# Altium PCB Horizontal Circuit Board.PcbDoc (part 1 of 2) (continued)
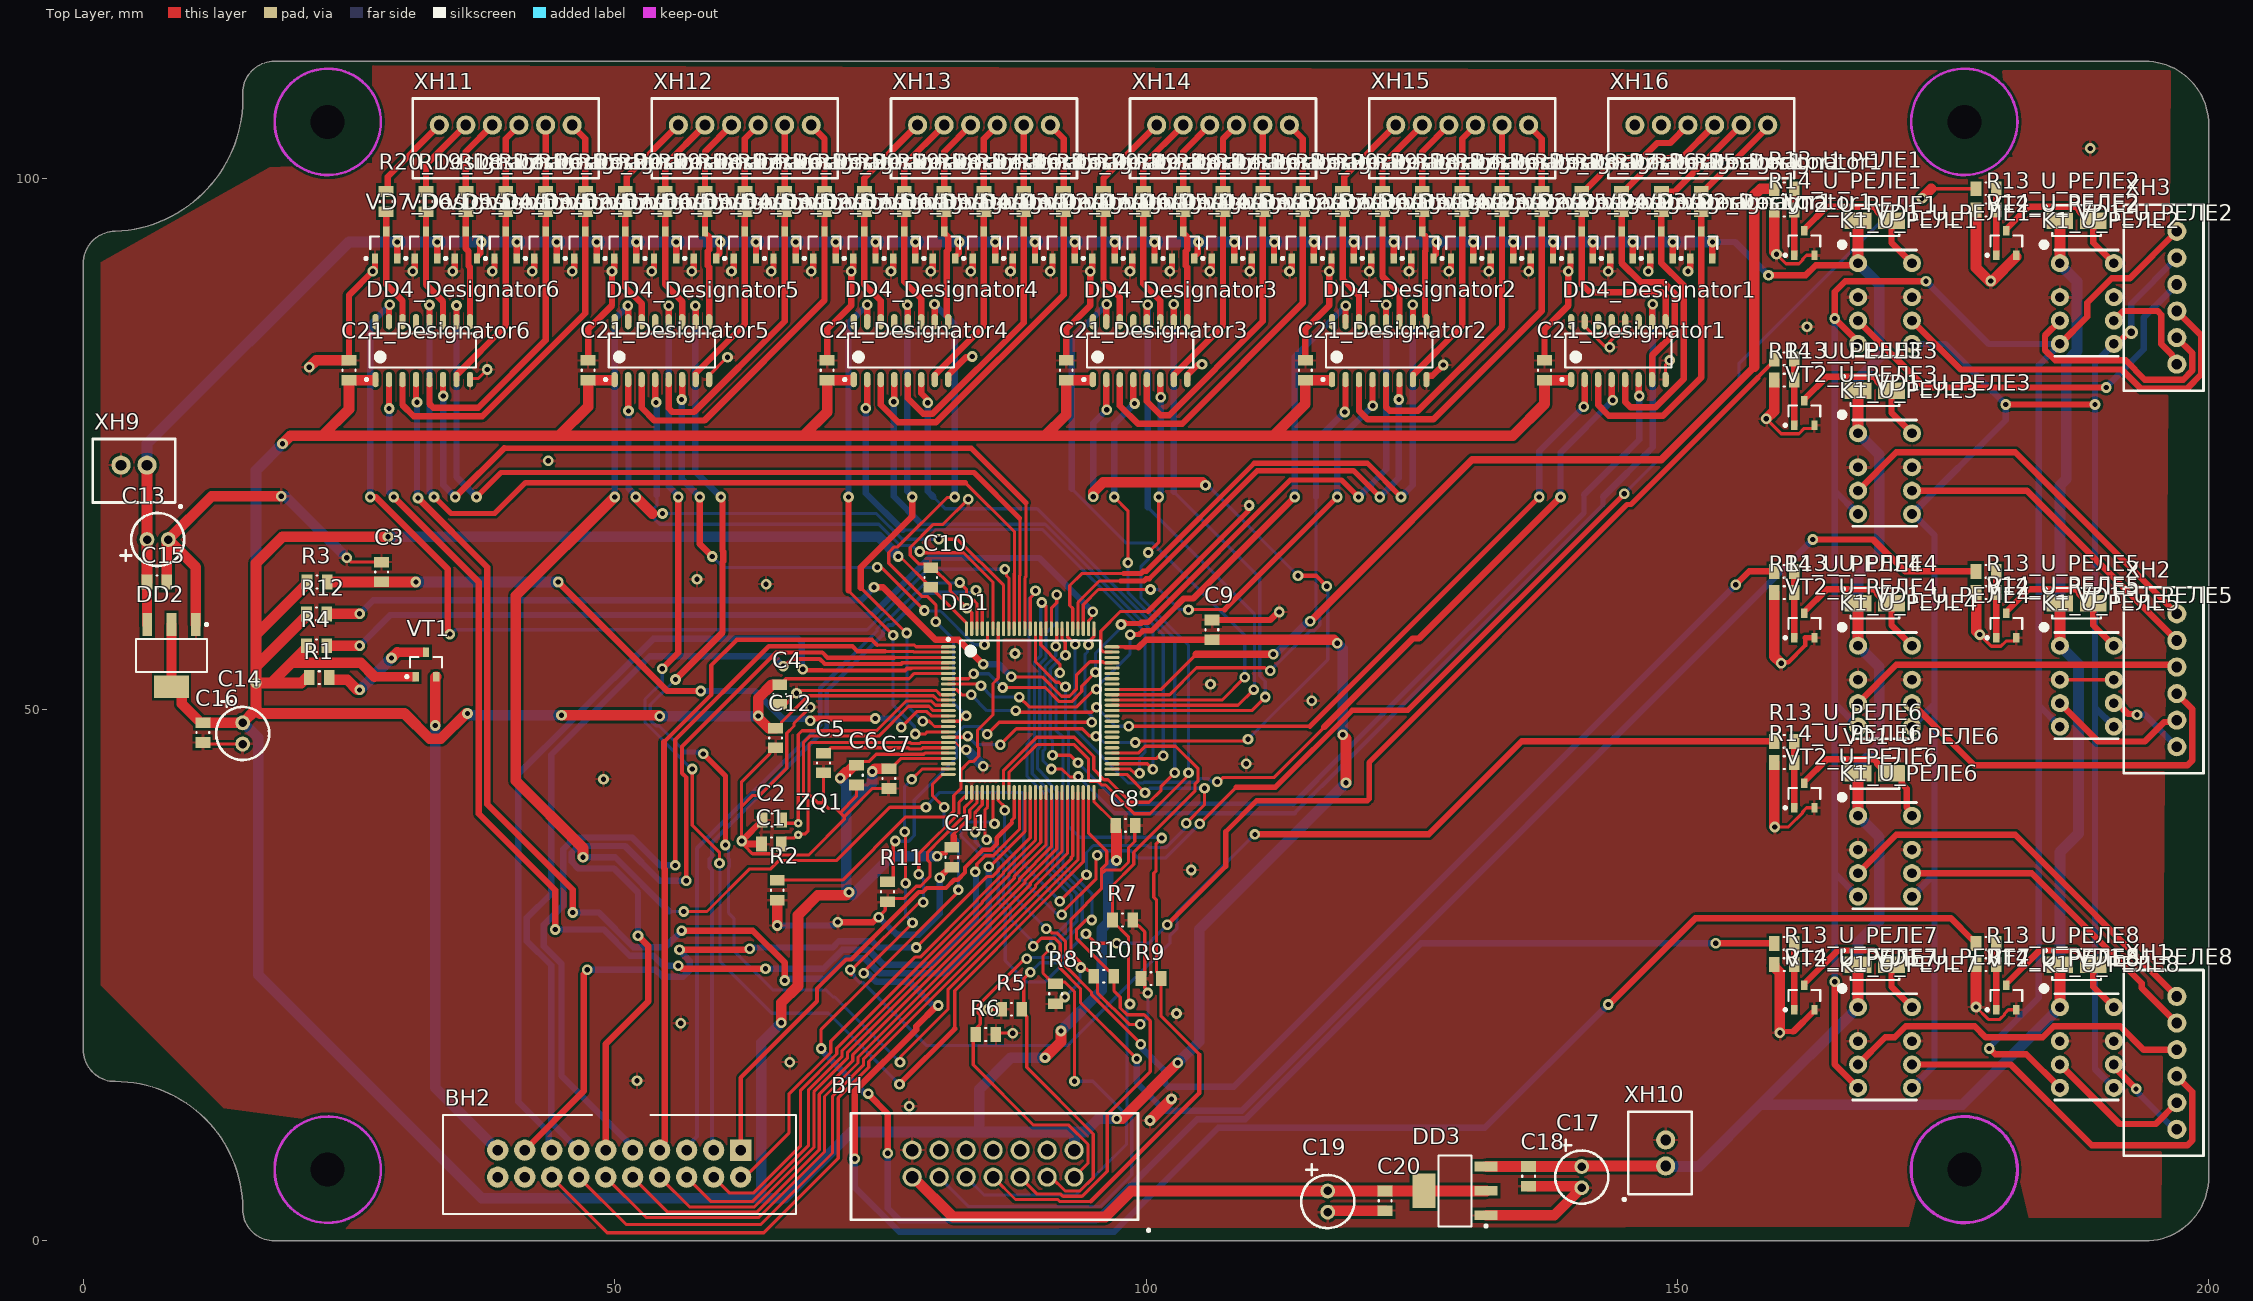
[diagram p0: Top Layer view]
## Part data
BH: library part BH14(3)
C1 C2 C3 C4 C5 C6 C7 C8 C9 C10 C11 C12 C15 C16 C18 C20 R1 R2 R3 R4 R5 R6 R7 R8 R9 R10 R11 R12: "SMD"
C13 C14 C17 C19: "Электролит"
DD1: library part AT32F407, "МК"
DD2 DD3: "Стабилизатор"
VT1 VT2_U_РЕЛЕ1 VT2_U_РЕЛЕ2 VT2_U_РЕЛЕ3 VT2_U_РЕЛЕ4 VT2_U_РЕЛЕ5 VT2_U_РЕЛЕ6 VT2_U_РЕЛЕ7 VT2_U_РЕЛЕ8: "Транзистор"
ZQ1: library part "KX-38 32.768 KHZ"

## Free pads (board coordinates)
  round 1.6 hole 3.2 unplated: C(23,6.7) C(23,105.3) C(177,6.7) C(177,105.3)

## Via types
v1: diameter 1, hole 0.5, Top Layer to Bottom Layer, 372 vias
v2: diameter 1.27, hole 0.711, Top Layer to Bottom Layer, 1 vias

## Nets (pads, with @x,y where several pads share a name; then routed paths per layer and width w, separated by ;. In a path a pad name is that pad's centre, name@x,y a point inside that pad or via, vN(x,y) a via of type N, cw(c..) or ccw(c..) an arc to the next point about the centre after c; other vN are vias at no path point)
+3.3: BH.8 C4.2 C6.2 C7.2 C8.2 C9.2 C10.2 C11.2 C12.2 C14.1 C16.2 C21_Designator1.1 C21_Designator2.1 C21_Designator3.1 C21_Designator4.1 C21_Designator5.1 C21_Designator6.1 DD1.6 DD1.11 DD1.21 DD1.22 DD1.28 DD1.50 DD1.75 DD1.100 DD2.2 DD4_Designator1.1 DD4_Designator2.1 DD4_Designator3.1 DD4_Designator4.1 DD4_Designator5.1 DD4_Designator6.1 R1.2 R3.1 R4.2 R12.1 VT1.1 | length 738.4
  Top Layer w0.3: C12.2@65.15,48.25 65.35,48.25 65.7,48.6 65.7,48.8 68.204,51.304 79.996,51.304 80.4,50.9 DD1.11@81.4,50.9 ; C4.2@65.535,52.35 66.085,52.9 77.703,52.9 78.203,53.4 DD1.6@81.4,53.4 ; C6.2@72.75,44.75 73.1,45.1 73.925,45.1 74.621,45.796 79.089,45.796 79.193,45.9 DD1.21@81.4,45.9 ; C7.2@75.8,44.425 76,44.425 76.975,45.4 DD1.22@81.4,45.4 ; v1(76.7,64.4) 76.85,64.4 C10.2@79.75,61.5 83.1,58.15 DD1.100@83.1,57.6 ; v1(80.35,36.2) 80.484,36.334 v1@80.621,36.334 ; 81.175,36.475 81.175,36.675 81.525,37.025 C11.2@81.725,37.025 ; 81.787,38.188 83.407,39.808 83.407,40.543 84.1,41.236 84.1,41.443 DD1.28@84.1,42.2 ; DD1.50@95.1,42.2 95.1,41.35 96.8,39.65 C8.2@97.247,39.203 ; DD1.75@96.8,55.9 97.997,55.9 98.047,55.85 ; 100.025,56.575 100.15,56.575
  Top Layer w0.4: v1@80.621,36.334 80.762,36.475 81.175,36.475 ; 98.047,55.85 99.3,55.85
  Top Layer w0.6: C11.2@81.725,37.025 81.893,37.193 81.893,38.082 ; 99.3,55.85 100.025,56.575 ; 100.15,56.575 C9.2@106.2,56.575
  Top Layer w0.9: DD2.2@8.3,52.15 DD2.2@8.3,58 ; 27.4,53.1 VT1.1@31.125,53.1
  Top Layer w1: DD2.2@8.3,52.15 8.675,52.15 9.25,51.575 9.25,50.55 11.05,48.75 C16.2@11.25,48.75 C14.1@15,48.75 16.25,50 ; v1(18.75,75) 19.5,75.75 22.5,75.75 ; R1.2@21,53 21,52.8 20.8,52.8 20.5,52.5 17.7,52.5 ; R4.2@21,56 21,55.8 19.6,54.4 ; R12.1@21,59 21,58.8 16.25,54.05 ; R3.1@21,62 21,61.8 16.25,57.05 ; DD4_Designator6.1@27.3,81 C21_Designator6.1@25,81 25,78.25 22.5,75.75 ; 27.4,53.1 26.1,54.4 19.6,54.4 ; v1(28.675,66.25) 18.75,66.25 16.25,63.75 16.25,57.05 ; v1(36.15,49.625) 36.023,49.625 33.644,47.246 32.606,47.246 30.227,49.625 16.625,49.625 16.25,50 ; v1(45,49.475) 54.163,49.475 v1(54.256,49.381) ; 49.63,81 C21_Designator5.1@47.5,81 47.5,78.5 44.75,75.75 ; C12.2@65.15,48.25 64.5,48.25 63.525,49.225 v1(63.525,49.4) 63.525,51.065 64.81,52.35 C4.2@65.535,52.35 ; v1(65.675,20.525) 65.675,22.402 67.254,23.981 67.254,30.654 69.125,32.525 71.775,32.525 v1(72.05,32.8) ; v1(71.225,43.55) 71.35,43.675 71.35,43.69 71.76,44.1 71.9,44.1 72.55,44.75 C6.2@72.75,44.75 ; DD4_Designator4.1@72.2,81 C21_Designator4.1@70,81 70,78 67.75,75.75 ; v1(74.25,44.175) 74.5,44.425 C7.2@75.8,44.425 ; v1(90.5,17.25) 92,18.75 v1(92,19.75) ; DD4_Designator3.1@94.7,81 C21_Designator3.1@92.5,81 92.5,77.75 90.5,75.75 ; C8.2@97.15,39.1 97.15,38.607 97.225,38.532 v1(97.225,35.8) ; v1(97.25,11.5) 97.75,11.5 v1(103,16.75) ; C9.2@106.2,56.575 117.679,56.575 v1(118.004,56.25) ; 117.2,81 C21_Designator2.1@115,81 115,78.75 112,75.75 ; v1(118.525,47.625) 118.525,47.575 118.825,47.275 v1(118.825,43.125) ; 139.7,81 C21_Designator1.1@137.5,81 137.5,78.75 134.5,75.75 112,75.75 ; 16.25,50 v1(16.25,52.5) ; v1(16.25,52.5) 17.7,52.5 ; v1(16.25,52.5) 16.25,54.05 ; 16.25,54.05 16.25,57.05 ; 17.7,52.5 19.6,54.4 ; 22.5,75.75 44.75,75.75 ; 44.75,75.75 67.75,75.75 ; 67.75,75.75 90.5,75.75 ; 90.5,75.75 112,75.75
  Bottom Layer w1: C14.1@15,48.75 15.056,48.75 16.454,47.352 16.454,25.046 37.5,4 63.8,4 ; v1(16.25,52.5) 16.25,72.5 v1(18.75,75) ; v1(28.675,66.25) 74.85,66.25 v1(76.7,64.4) ; v1(36.15,49.625) 36.3,49.475 v1(45,49.475) ; v1(54.256,49.381) 63.506,49.381 v1(63.525,49.4) ; v1(65.675,20.525) 63.8,18.65 63.8,4 ; v1(71.225,43.55) 71.8,42.975 71.8,40.6 ; v1@71.8,33.1 71.8,40.6 ; v1@72.375,32.525 76.05,36.2 v1(80.35,36.2) ; v1(74.25,44.175) 74.25,43.05 71.8,40.6 ; v1(90.5,17.25) 87.3,17.25 84.3,14.25 84.3,10.25 ; v1(92,19.75) 95.83,23.58 95.83,29.353 96.45,29.973 96.45,35.025 v1(97.225,35.8) ; BH.8@93.24,8.54 93.275,8.575 93.275,10.25 ; v1(97.25,11.5) 95.5,11.5 94.25,10.25 93.275,10.25 ; v1(103,16.75) 105,18.75 105,29.3 v1(118.825,43.125) ; v1(118.004,56.25) 118.525,55.729 v1(118.525,47.625) ; 63.8,4 66,4 72.25,10.25 84.3,10.25 ; 84.3,10.25 93.275,10.25
+5: BH.7 C19.1 C20.2 DD3.2 | length 56.6
  Top Layer w1: BH.7@78,6 78.086,6 81.836,2.25 96.15,2.25 98.6,4.7 C19.1@117.1,4.7 C20.2@122.5,4.7 DD3.2@126.15,4.7 DD3.2@132,4.7
+12: C13.1 C15.2 C17.1 C18.2 DD2.3 DD3.3 K1_U_РЕЛЕ1.1 K1_U_РЕЛЕ2.1 K1_U_РЕЛЕ3.1 K1_U_РЕЛЕ4.1 K1_U_РЕЛЕ5.1 K1_U_РЕЛЕ6.1 K1_U_РЕЛЕ7.1 K1_U_РЕЛЕ8.1 VD1_U_РЕЛЕ1.1 VD1_U_РЕЛЕ2.1 VD1_U_РЕЛЕ3.1 VD1_U_РЕЛЕ4.1 VD1_U_РЕЛЕ5.1 VD1_U_РЕЛЕ6.1 VD1_U_РЕЛЕ7.1 VD1_U_РЕЛЕ8.1 VD2_Designator1.2 VD2_Designator2.2 VD2_Designator3.2 VD2_Designator4.2 VD2_Designator5.2 VD2_Designator6.2 VD3_Designator1.2 VD3_Designator2.2 VD3_Designator3.2 VD3_Designator4.2 VD3_Designator5.2 VD3_Designator6.2 VD4_Designator1.2 VD4_Designator2.2 VD4_Designator3.2 VD4_Designator4.2 VD4_Designator5.2 VD4_Designator6.2 VD5_Designator1.2 VD5_Designator2.2 VD5_Designator3.2 VD5_Designator4.2 VD5_Designator5.2 VD5_Designator6.2 VD6_Designator2.2 VD6_Designator3.2 VD6_Designator4.2 VD6_Designator5.2 VD6_Designator6.2 VD7_Designator2.2 VD7_Designator3.2 VD7_Designator4.2 VD7_Designator5.2 VD7_Designator6.2 XH9.1 XH10.1 | length 495.9
  Top Layer w0.6: VD7_Designator6.2@29.55,92.45 29.55,93.996 v1(29.554,94) ; VD6_Designator6.2@33.3,92.45 33.3,93.996 v1(33.304,94) ; VD5_Designator6.2@37.05,92.45 37.05,92.625 37.367,92.942 37.367,93.923 v1(37.444,94) ; VD4_Designator6.2@40.8,92.45 40.8,93.996 v1(40.804,94) ; VD3_Designator6.2@44.55,92.45 44.55,93.996 v1(44.554,94) ; VD2_Designator6.2@48.3,92.45 48.3,93.996 v1(48.304,94) ; VD7_Designator5.2@52.05,92.45 52.05,93.996 v1(52.054,94) ; VD6_Designator5.2@55.8,92.45 55.8,93.996 v1(55.804,94) ; VD5_Designator5.2@59.55,92.45 59.55,92.625 59.867,92.942 59.867,93.923 v1(59.944,94) ; VD4_Designator5.2@63.3,92.45 63.3,93.996 v1(63.304,94) ; VD3_Designator5.2@67.05,92.45 67.05,93.996 v1(67.054,94) ; VD2_Designator5.2@70.8,92.45 70.8,93.996 v1(70.804,94) ; VD7_Designator4.2@74.55,92.45 74.55,93.996 v1(74.554,94) ; VD6_Designator4.2@78.3,92.45 78.3,93.996 v1(78.304,94) ; VD5_Designator4.2@82.05,92.45 82.05,92.625 82.367,92.942 82.367,93.923 v1(82.444,94) ; VD4_Designator4.2@85.8,92.45 85.8,93.996 v1(85.804,94) ; VD3_Designator4.2@89.55,92.45 89.55,93.996 v1(89.554,94) ; VD2_Designator4.2@93.3,92.45 93.3,93.996 v1(93.304,94) ; VD7_Designator3.2@97.05,92.45 97.05,93.996 v1(97.054,94) ; VD6_Designator3.2@100.8,92.45 100.8,93.996 v1(100.804,94) ; VD5_Designator3.2@104.55,92.45 104.55,92.625 104.867,92.942 104.867,93.923 v1(104.944,94) ; VD4_Designator3.2@108.3,92.45 108.3,93.996 v1(108.304,94) ; VD3_Designator3.2@112.05,92.45 112.05,93.996 v1(112.054,94) ; VD2_Designator3.2@115.8,92.45 115.8,93.996 v1(115.804,94) ; VD7_Designator2.2@119.55,92.45 119.55,93.996 v1(119.554,94) ; VD6_Designator2.2@123.3,92.45 123.3,93.996 v1(123.304,94) ; VD5_Designator2.2@127.05,92.45 127.05,92.625 127.277,92.852 127.277,93.923 v1(127.354,94) ; VD4_Designator2.2@130.8,92.45 130.8,93.996 v1(130.804,94) ; VD3_Designator2.2@134.55,92.45 134.55,93.996 v1(134.554,94) ; VD2_Designator2.2@138.3,92.45 138.3,93.996 v1(138.304,94) ; VD5_Designator1.2@142.05,92.45 142.05,93.996 v1(142.054,94) ; VD4_Designator1.2@145.8,92.45 145.8,93.996 v1(145.804,94) ; VD3_Designator1.2@149.55,92.45 149.55,93.996 v1(149.554,94) ; VD2_Designator1.2@153.3,92.45 153.3,93.996 v1(153.304,94) ; v1(158.575,90.85) 162.064,90.85 163.014,91.8 166.8,91.8 K1_U_РЕЛЕ1.1@167,92
  Top Layer w0.95: DD2.3@6,58 C15.2@6,62
  Top Layer w1: C15.2@6,62 C13.1@6,66 XH9.1@6,73 ; DD3.3@132,7 C18.2@136,7 C17.1@141,7 141.05,7.05 XH10.1@148.9,7.05 ; K1_U_РЕЛЕ7.1@167,22 VD1_U_РЕЛЕ7.1@167,26 ; K1_U_РЕЛЕ6.1@167,40 VD1_U_РЕЛЕ6.1@167,44 ; K1_U_РЕЛЕ4.1@167,56 VD1_U_РЕЛЕ4.1@167,60 ; K1_U_РЕЛЕ3.1@167,76 VD1_U_РЕЛЕ3.1@167,80 ; K1_U_РЕЛЕ1.1@167,92 VD1_U_РЕЛЕ1.1@167,96 ; K1_U_РЕЛЕ8.1@186,22 VD1_U_РЕЛЕ8.1@186,26 ; K1_U_РЕЛЕ5.1@186,56 VD1_U_РЕЛЕ5.1@186,60 ; K1_U_РЕЛЕ2.1@186,92 VD1_U_РЕЛЕ2.1@186,96
  Bottom Layer w0.6: v1(153.304,94) 155.425,94 v1(158.575,90.85)
  Bottom Layer w1: XH9.1@6,73 6,75 25,94 26,94 26.85,94 v1(29.554,94) v1(33.304,94) v1(37.444,94) v1(40.804,94) v1(44.554,94) v1(48.304,94) v1(52.054,94) v1(55.804,94) v1(59.944,94) v1(63.304,94) v1(67.054,94) v1(70.804,94) v1(74.554,94) v1(78.304,94) v1(82.444,94) v1(85.804,94) v1(89.554,94) v1(93.304,94) v1(97.054,94) v1(100.804,94) v1(104.944,94) v1(108.304,94) v1(112.054,94) v1(115.804,94) v1(119.554,94) v1(123.304,94) v1(127.354,94) v1(130.804,94) v1(134.554,94) 138.3,94 v1(142.054,94) v1(145.804,94) v1(149.554,94) v1(153.304,94) ; XH10.1@148.9,7.05 148.95,7 152,7 157.796,12.796 ; K1_U_РЕЛЕ1.1@167,92 169,90 169,83.095 167,81.095 K1_U_РЕЛЕ3.1@167,76 169,74 169,64.595 167,62.595 K1_U_РЕЛЕ4.1@167,56 169,54 169,46.595 167,44.595 K1_U_РЕЛЕ6.1@167,40 169,38 169,30.095 167,28.095 K1_U_РЕЛЕ7.1@167,22 157.796,12.796 ; K1_U_РЕЛЕ2.1@186,92 186,91.885 187.604,90.281 187.604,83.736 186.6,82.732 186.6,71.695 186,71.095 K1_U_РЕЛЕ5.1@186,56 187.746,54.254 187.746,38.341 186,36.595 K1_U_РЕЛЕ8.1@186,22 176.796,12.796 157.796,12.796
GND: BH.14 C1.2 C2.2 C3.1 C4.1 C5.1 C6.1 C7.1 C8.1 C9.1 C10.1 C11.1 C12.1 C13.2 C14.2 C15.1 C16.1 C17.2 C18.1 C19.2 C20.1 C21_Designator1.2 C21_Designator2.2 C21_Designator3.2 C21_Designator4.2 C21_Designator5.2 C21_Designator6.2 DD1.10 DD1.19 DD1.27 DD1.49 DD1.74 DD1.99 DD2.1 DD3.1 DD4_Designator1.8 DD4_Designator1.12 DD4_Designator1.15 DD4_Designator2.8 DD4_Designator3.8 DD4_Designator4.8 DD4_Designator5.8 DD4_Designator6.8 K1_U_РЕЛЕ1.2 K1_U_РЕЛЕ1.7 K1_U_РЕЛЕ2.2 K1_U_РЕЛЕ2.7 K1_U_РЕЛЕ3.2 K1_U_РЕЛЕ3.7 K1_U_РЕЛЕ4.2 K1_U_РЕЛЕ4.7 K1_U_РЕЛЕ5.2 K1_U_РЕЛЕ5.7 K1_U_РЕЛЕ6.2 K1_U_РЕЛЕ6.7 K1_U_РЕЛЕ7.2 K1_U_РЕЛЕ7.7 K1_U_РЕЛЕ8.2 K1_U_РЕЛЕ8.7 R2.2 R5.1 R6.1 R7.2 R8.2 R9.2 R10.2 R11.1 R14_U_РЕЛЕ1.1 R14_U_РЕЛЕ2.1 R14_U_РЕЛЕ3.1 R14_U_РЕЛЕ4.1 R14_U_РЕЛЕ5.1 R14_U_РЕЛЕ6.1 R14_U_РЕЛЕ7.1 R14_U_РЕЛЕ8.1 VD2_Designator1.1 VD2_Designator2.1 VD2_Designator3.1 VD2_Designator4.1 VD2_Designator5.1 VD2_Designator6.1 VD3_Designator1.1 VD3_Designator2.1 VD3_Designator3.1 VD3_Designator4.1 VD3_Designator5.1 VD3_Designator6.1 VD4_Designator1.1 VD4_Designator2.1 VD4_Designator3.1 VD4_Designator4.1 VD4_Designator5.1 VD4_Designator6.1 VD5_Designator1.1 VD5_Designator2.1 VD5_Designator3.1 VD5_Designator4.1 VD5_Designator5.1 VD5_Designator6.1 VD6_Designator2.1 VD6_Designator3.1 VD6_Designator4.1 VD6_Designator5.1 VD6_Designator6.1 VD7_Designator2.1 VD7_Designator3.1 VD7_Designator4.1 VD7_Designator5.1 VD7_Designator6.1 VT2_U_РЕЛЕ1.2 VT2_U_РЕЛЕ2.2 VT2_U_РЕЛЕ3.2 VT2_U_РЕЛЕ4.2 VT2_U_РЕЛЕ5.2 VT2_U_РЕЛЕ6.2 VT2_U_РЕЛЕ7.2 VT2_U_РЕЛЕ8.2 XH9.2 XH10.2 | length 509.4
  Top Layer w0.2: DD1.19@81.4,46.9 81.419,46.881 82.106,46.881 82.761,46.225 v1(83.075,46.225)
  Top Layer w0.3: C16.1@11.25,46.9 11.4,46.75 C14.2@15,46.75 ; v1(24.8,64.275) 25.2,63.875 C3.1@28.075,63.875 ; DD4_Designator6.8@36.39,81.05 36.48,81.14 37.14,81.14 v1(38,82) ; DD4_Designator5.8@58.89,81.05 58.89,81.464 60.576,83.15 v1(60.625,83.15) ; v1(61.95,37.625) 61.95,40.875 ; 62.228,37.163 62.966,36.425 64.905,36.425 65.03,36.3 68.237,36.3 71.604,39.667 71.604,39.915 ; C12.1@65.15,46.4 64.95,46.4 64.6,46.05 64.6,45.85 61.95,43.2 61.95,40.875 ; v1@65.275,29.65 v1(65.3,29.675) ; C4.1@65.535,50.5 66.084,50.5 v1(67.109,51.525) 67.218,51.525 67.497,51.804 80.239,51.804 80.643,51.4 80.85,51.4 DD1.10@81.4,51.4 ; v1(68.403,50.225) 66.875,48.697 66.875,48.45 66.2,47.775 66.2,44.475 63.65,41.925 63,41.925 61.95,40.875 ; 69.65,41.225 C5.1@69.65,44.05 ; C6.1@72.75,42.9 72.75,41.825 71.222,40.297 ; 74.346,30.002 74.785,30.441 75.47,31.126 75.47,31.55 75.635,31.716 76.059,31.716 76.059,32.068 76.225,32.234 77.234,32.234 78.379,33.379 78.776,33.379 79.663,34.266 79.663,35.608 79.446,35.826 79.446,36.574 80.755,37.884 80.776,37.884 82.907,40.015 82.907,40.75 83.6,41.443 DD1.27@83.6,42.2 DD1.27@83.6,42.75 ; C7.1@75.8,42.575 74.264,42.575 71.604,39.915 ; DD1.19@81.4,46.9 78.778,46.9 78.674,46.796 77.926,46.796 77.822,46.9 68.451,46.9 68.275,46.724 68.275,42.05 69.1,41.225 69.602,41.225 70.148,40.679 70.84,40.679 71.222,40.297 ; v1(83.275,69.8) 80.9,67.425 79.996,67.425 77.821,65.249 77.821,64.501 78.622,63.7 79.4,63.7 C10.1@79.75,63.35 79.95,63.35 81.573,61.727 81.573,61.152 83.6,59.125 DD1.99@83.6,57.6 ; v1@85.1,21.775 v1(85.125,21.8) R5.1@86.4,21.8 ; R6.1@85.875,19.425 86,19.55 v1(87.45,19.55) ; DD1.49@94.6,42.2 94.6,38.36 96.309,36.651 96.309,35.474 95.804,34.969 95.804,34.526 ; DD1.74@96.8,55.4 96.043,55.4 95.75,55.693 95.75,57.378 97.604,59.233 100.183,59.233 ; R7.2@98.75,30.2 99.875,29.075 99.875,25.025 R9.2@99.525,24.675 99.875,24.325 99.875,23.789 100.15,23.514 v1(100.15,23.325) ; C8.1@98.95,39.149 98.95,37.586 98.35,36.986 98.35,35.646 97.599,34.896 96.174,34.896 95.804,34.526 ; v1(99.45,20.375) 98.418,20.375 95.425,23.368 95.425,24.55 R10.2@95.075,24.9 95.075,25.1 94.725,25.45 94.525,25.45 94.384,25.591 93.984,25.591 v1(93.85,25.725) 93.85,26.178 92.951,27.078 92.951,30.269 95.804,33.123 95.804,34.526 ; v1@109.641,69.141 v1(109.7,69.2) ; v1@127.965,82.425 v1(127.975,82.425) ; DD4_Designator1.15@141.27,86.5 141.27,86.075 143.111,84.234 143.491,84.234 v1(143.625,84.1) 143.625,84.62 145.08,86.075 DD4_Designator1.12@145.08,86.5 ; DD4_Designator1.8@148.89,81.05 148.89,82.465 v1(149.275,82.85) ; v1(158.375,77.35) 159.775,75.95 161.445,75.95 161.945,76.45 162.75,76.45 162.9,76.6 VT2_U_РЕЛЕ3.2@162.9,76.75 ; v1@159.1,39.025 v1(159.175,38.95) 160.445,38.95 161.797,40.303 161.797,40.397 162.15,40.75 VT2_U_РЕЛЕ6.2@162.9,40.75 ; v1@159.1,93.075 v1(159.325,92.85) 160.225,91.95 161.445,91.95 161.797,92.303 161.797,92.397 162.15,92.75 VT2_U_РЕЛЕ1.2@162.9,92.75 ; v1(159.65,19.575) v1@159.784,19.709 ; VT2_U_РЕЛЕ7.2@162.9,21.675 VT2_U_РЕЛЕ7.2@162.9,21.75 ; v1(178.1,22.01) 179.27,20.84 180.335,20.84 180.797,21.303 180.797,21.397 181.15,21.75 VT2_U_РЕЛЕ8.2@181.9,21.75 ; v1(178.45,57.055) 179.555,55.95 180.445,55.95 180.945,56.45 181.75,56.45 181.9,56.6 VT2_U_РЕЛЕ5.2@181.9,56.75 ; v1@179.351,90.324 v1(179.488,90.324) v1@179.624,90.324 ; VT2_U_РЕЛЕ2.2@181.9,92.6 VT2_U_РЕЛЕ2.2@181.9,92.75 ; K1_U_РЕЛЕ5.2@186,52.8 K1_U_РЕЛЕ5.7@191.08,52.8 ; 71.222,40.297 71.604,39.915
  Top Layer w0.4: v1(159.775,54.35) 159.865,54.44 160.44,54.44 162.025,56.025 162.025,56.75
  Top Layer w0.5: 100.183,59.233 109.604,68.654 109.604,69.104 v1@109.641,69.141 ; v1@159.784,19.709 160.859,19.709 ; 162.025,56.75 VT2_U_РЕЛЕ4.2@162.9,56.75
  Top Layer w0.6: C21_Designator6.2@25,82.85 25,89 v1(27.25,91.25) 27.25,91.358 27.45,91.558 VD7_Designator6.1@27.45,92.45 ; v1(31,91.25) 31,91.358 31.2,91.558 VD6_Designator6.1@31.2,92.45 ; v1(34.75,91.25) 34.75,91.358 34.95,91.558 VD5_Designator6.1@34.95,92.45 ; v1(38.5,91.25) 38.5,91.358 38.7,91.558 VD4_Designator6.1@38.7,92.45 ; v1(42.25,91.25) 42.25,91.358 42.45,91.558 VD3_Designator6.1@42.45,92.45 ; v1(46,91.25) 46,91.358 46.2,91.558 VD2_Designator6.1@46.2,92.45 ; C21_Designator5.2@47.5,82.85 47.5,85.771 49.75,88.021 v1(49.75,91.25) 49.75,91.358 49.95,91.558 VD7_Designator5.1@49.95,92.45 ; v1(53.5,91.25) 53.5,91.358 53.7,91.558 VD6_Designator5.1@53.7,92.45 ; v1(57.25,91.25) 57.25,91.358 57.45,91.558 VD5_Designator5.1@57.45,92.45 ; v1(61,91.25) 61,91.358 61.2,91.558 VD4_Designator5.1@61.2,92.45 ; v1(61.95,37.625) C2.2@64,39.675 ; v1(64.75,91.25) 64.75,91.358 64.95,91.558 VD3_Designator5.1@64.95,92.45 ; v1(68.5,91.25) 68.5,91.358 68.7,91.558 VD2_Designator5.1@68.7,92.45 ; C21_Designator4.2@70,82.85 70,85.771 72.25,88.021 v1(72.25,91.25) 72.25,91.358 72.45,91.558 VD7_Designator4.1@72.45,92.45 ; v1(71,30) 74.29,30 74.731,30.441 74.785,30.441 v1(74.839,30.441) ; v1(76,91.25) 76,91.358 76.2,91.558 VD6_Designator4.1@76.2,92.45 ; v1(79.75,91.25) 79.75,91.358 79.95,91.558 VD5_Designator4.1@79.95,92.45 ; v1(80.575,34.175) 80.575,34.225 81.525,35.175 C11.1@81.725,35.175 ; DD4_Designator4.8@81.39,81.05 81.39,81.475 83.063,83.148 83.573,83.148 v1(83.65,83.225) ; v1(83.5,91.25) 83.5,91.358 83.7,91.558 VD4_Designator4.1@83.7,92.45 ; v1(87.25,91.25) 87.25,91.358 87.45,91.558 VD3_Designator4.1@87.45,92.45 ; v1(91,91.25) 91,91.358 91.2,91.558 VD2_Designator4.1@91.2,92.45 ; C21_Designator3.2@92.5,82.85 92.5,85.771 94.75,88.021 v1(94.75,91.25) 94.75,91.358 94.95,91.558 VD7_Designator3.1@94.95,92.45 ; v1(98.5,91.25) 98.5,91.358 98.7,91.558 VD6_Designator3.1@98.7,92.45 ; v1(102.25,91.25) 102.25,91.358 102.45,91.558 VD5_Designator3.1@102.45,92.45 ; DD4_Designator3.8@103.89,81.05 103.89,81.475 104.813,82.398 105.198,82.398 v1(105.275,82.475) ; v1(106,91.25) 106,91.358 106.2,91.558 VD4_Designator3.1@106.2,92.45 ; C9.1@106.2,58.425 111.692,58.425 112.442,59.175 v1(112.55,59.175) ; v1(109.75,91.25) 109.75,91.358 109.95,91.558 VD3_Designator3.1@109.95,92.45 ; v1(113.5,91.25) 113.5,91.358 113.7,91.558 VD2_Designator3.1@113.7,92.45 ; C21_Designator2.2@115,82.85 115,85.771 117.25,88.021 v1(117.25,91.25) 117.25,91.358 117.45,91.558 VD7_Designator2.1@117.45,92.45 ; v1(121,91.25) 121,91.358 121.2,91.558 VD6_Designator2.1@121.2,92.45 ; v1(124.75,91.25) 124.75,91.358 124.95,91.558 VD5_Designator2.1@124.95,92.45 ; DD4_Designator2.8@126.39,81.05 126.39,81.411 126.951,81.411 v1@127.965,82.425 ; v1(128.5,91.25) 128.5,91.358 128.7,91.558 VD4_Designator2.1@128.7,92.45 ; v1(132.25,91.25) 132.25,91.358 132.45,91.558 VD3_Designator2.1@132.45,92.45 ; v1(136,91.25) 136,91.358 136.2,91.558 VD2_Designator2.1@136.2,92.45 ; C21_Designator1.2@137.5,82.85 137.5,85.771 139.75,88.021 v1(139.75,91.25) 139.75,91.358 139.95,91.558 VD5_Designator1.1@139.95,92.45 ; v1(143.5,91.25) 143.5,91.358 143.7,91.558 VD4_Designator1.1@143.7,92.45 ; v1(147.25,91.25) 147.25,91.358 147.45,91.558 VD3_Designator1.1@147.45,92.45 ; v1(151,91.25) 151,91.358 151.2,91.558 VD2_Designator1.1@151.2,92.45 ; 160.859,19.709 160.934,19.709 162.825,21.6 162.9,21.6 VT2_U_РЕЛЕ7.2@162.9,21.675
  Top Layer w0.7: v1@62.139,37.625 62.414,37.35 C1.2@63.825,37.35
  Top Layer w1: C15.1@7.85,62 7.85,65.742 8,65.892 C13.2@8,66 ; DD2.1@10.6,58 10.6,63.4 C13.2@8,66 ; v1(18.625,70.075) 12.075,70.075 C13.2@8,66 ; v1(21.275,82.2) 21.925,82.85 C21_Designator6.2@25,82.85 ; v1(65.3,29.675) R2.2@65.3,32.05 ; v1(100.375,11.325) v1(102.4,13.35) ; C19.2@117.1,2.7 117.177,2.777 117.459,2.777 117.533,2.85 C20.1@122.5,2.85 ; DD3.1@132,2.4 138.4,2.4 C17.2@141,5 140.923,5.077 140.641,5.077 140.567,5.15 136.493,5.15 C18.1@136,5.15 ; v1(158.375,77.35) 159.1,78.075 R14_U_РЕЛЕ3.1@159.1,81 ; R14_U_РЕЛЕ7.1@159.1,26 159.1,25.8 159.65,25.25 v1(159.65,19.575) ; v1@159.1,39.025 R14_U_РЕЛЕ6.1@159.1,45 ; R14_U_РЕЛЕ4.1@159.1,61 159.1,55.025 v1(159.775,54.35) ; v1@159.1,93.075 R14_U_РЕЛЕ1.1@159.1,97 ; v1(178.1,22.01) R14_U_РЕЛЕ8.1@178.1,26 ; R14_U_РЕЛЕ5.1@178.1,61 178.1,60.507 178.125,60.482 178.125,57.38 v1(178.45,57.055) ; R14_U_РЕЛЕ2.1@178.1,97 178.1,91.575 v1@179.351,90.324 ; v1@179.624,90.324 VT2_U_РЕЛЕ2.2@181.9,92.6
  Bottom Layer w0.2: v1(84.681,44.675) v1@85,44.675
  Bottom Layer w0.3: v1(18.625,70.075) v1@19,70.075 ; v1(67.109,51.525) 67.109,51.522 68.403,50.228 v1(68.403,50.225) ; v1(92.371,22.946) 93.775,24.35 v1@93.775,25.675 ; v1(99.45,20.375) 100.195,21.12 v1@100.195,23.28
  Bottom Layer w0.6: v1(65.3,29.675) 70.675,29.675 v1(71,30) ; v1(74.839,30.441) 76.157,29.124 76.276,29.124 76.575,28.825 78.6,28.825 80.575,30.8 v1(80.575,34.175)
  Bottom Layer w1: v1@19,70.075 v1(24.8,64.275) ; v1(83.075,46.225) 83.131,46.225 v1(84.681,44.675)
  other v1: 77.725,12.675 52.1,15.075 66.475,16.825 56.225,20.475 102.875,21.4 104.25,34.9 48.95,43.45 109.425,44.9 115.6,50.825 106.068,52.368 87.675,55.275 83.15,59.525 64.25,61.8 57.751,62.258 43.75,73.4 162.2,86.025 188.85,102.8
NetBH?_1: BH.1 DD1.85 R6.2 | length 71.6
  Top Layer w0.3: v1(88.779,26.551) 88.598,26.551 84.221,22.174 84.221,21.426 84.4,21.247 84.4,20.4 83.75,19.75 83.75,16.558 89.414,10.894 92.73,10.894 94.544,9.08 94.544,7.304 BH.1@93.24,6 ; v1(90.196,60.07) 90.255,60.07 90.6,59.724 DD1.85@90.6,57.6
  Bottom Layer w0.3: v1(88.779,26.551) 88.779,26.502 88.775,26.498 88.95,26.672 91.404,26.672 91.933,27.202 91.933,28.519 93.483,30.069 93.483,32.674 91.196,34.962 91.196,42.058 89.296,43.958 89.296,46.489 89.496,46.689 89.496,54.471 90.096,55.071 90.096,59.97 v1(90.196,60.07)
NetBH?_2: BH.2 DD1.84 R5.2 | length 72.2
  Top Layer w0.3: v1(89.125,25.275) 88.5,24.65 88.5,22 R5.2@88.3,21.8 88.3,21.6 88.775,21.125 88.775,16.325 95.044,10.056 95.044,5.96 93.78,4.696 92.386,4.696 91.082,6 BH.2@90.7,6 ; DD1.84@91.1,57.6 91.1,59.541 91.6,60.041 v1(91.6,60.8)
  Bottom Layer w0.3: v1(89.125,25.275) 90.022,26.172 91.611,26.172 92.433,26.995 92.433,28.312 94.001,29.879 94.001,32.864 91.696,35.169 91.696,42.265 90.726,43.235 90.726,43.496 89.796,44.426 89.796,46.281 89.996,46.482 89.996,54.264 90.596,54.864 90.596,57.211 91.6,58.215 v1(91.6,60.8)
NetBH?_3: BH.3 DD1.86 R10.1 | length 69.6
  Top Layer w0.3: BH.3@88.16,6 89.76,4.4 91.975,4.4 92.179,4.196 93.987,4.196 96.346,6.555 96.346,11.874 100.404,15.932 100.404,20.699 99.824,21.279 98.221,21.279 97.585,21.915 97.585,22.94 96.975,23.55 R10.1@96.975,24.9 ; DD1.86@90.1,57.6 90.1,56.079 91.9,54.279 v1(91.9,53.475) ; v1(94.905,30.201) 94.376,30.201 93.451,29.276 93.451,28.471 96.821,25.1 R10.1@96.975,25.1
  Bottom Layer w0.3: v1(91.9,53.475) 91.521,53.096 91.521,48.057 92.196,47.382 92.196,35.376 94.905,32.667 v1(94.905,30.201)
NetBH?_4: BH.4 DD1.87 R9.1 | length 80.1
  Top Layer w0.3: BH.4@85.62,6 87.72,3.9 91.708,3.9 91.912,3.696 94.796,3.696 ; DD1.87@89.6,57.6 89.6,54.497 91.526,52.571 91.815,52.571 92.236,52.15 v1(92.425,52.15) ; v1(101.489,37.914) 100.95,37.375 100.95,34.83 100.725,34.605 100.725,32.325 101,32.05 101,25.3 101.425,24.875 R9.1@101.425,24.675 101.425,21.125 105,17.55
  Top Layer w0.4: 94.796,3.696 105,13.9 105,17.55
  Bottom Layer w0.3: v1(92.425,52.15) 92.425,48.292 92.696,48.022 92.696,39.029 93.746,37.979 101.424,37.979 v1(101.489,37.914)
NetBH?_5: BH.5 DD1.88 R8.1 | length 81.9
  Top Layer w0.3: DD1.88@89.1,57.6 89.1,60.498 89.604,61.002 v1(89.604,61.175) ; v1(91.029,27.576) 91.029,27.531 90.304,26.805 90.304,25.196 91.15,24.35 91.575,24.35 R8.1@92,24.35 ; R8.1@92,24.178 R8.1@92,24.35 ; v1@93.275,15.042 93.275,23.455 92.38,24.35 R8.1@92,24.35
  Bottom Layer w0.3: BH.5@83.08,6 84.755,4.325 93.409,4.325 98.154,9.07 98.154,11.874 95.003,15.025 v1(93.275,15.025) ; v1(89.604,61.175) 89.604,61.024 88.979,60.399 88.979,46.879 88.796,46.696 88.796,43.751 90.696,41.851 90.696,34.754 92.983,32.467 92.983,30.276 91.029,28.322 v1(91.029,27.576)
NetBH?_6: BH.6 DD1.55 R7.1 | length 72.3
  Top Layer w0.3: DD1.55@96.8,45.9 99.278,45.9 99.932,46.554 102.778,46.554 104.904,44.428 104.904,43.282 104.601,42.98 104.601,42.305 98.85,36.553 98.85,35.439 96.85,33.439 R7.1@96.85,30.2 96.8,30.15 98.364,28.586 98.364,22.414 v1(98.489,22.289)
  Bottom Layer w0.3: BH.6@80.54,6 83.315,3.225 95.681,3.225 98.654,6.198 98.654,12.082 98.2,12.536 98.2,22 v1(98.489,22.289)
NetC1_1: C1.1 DD1.13 ZQ1.1 | length 26.8
  Top Layer w0.3: C1.1@65.675,37.35 65.675,37.55 66.025,37.9 66.849,37.9 67.074,38.125 ZQ1.1@67.24,38.125 ; ZQ1.1@67.275,38.2 67.35,38.275 67.899,38.275 68.2,38.576 68.2,41.418 67.775,41.843 67.775,46.931 68.344,47.5 74.85,47.5 77.654,50.304 79.581,50.304 79.985,49.9 DD1.13@81.4,49.9
NetC2_1: C2.1 DD1.12 ZQ1.2 | length 25.6
  Top Layer w0.3: C2.1@65.725,39.6 66.025,39.3 66.075,39.3 ZQ1.2@67.275,39.3 67.275,41.025 67.275,47.649 67.626,48 74.643,48 77.447,50.804 79.788,50.804 80.192,50.4 80.85,50.4 DD1.12@81.4,50.4
NetC3_2: C3.2 DD1.14 R3.2 | length 65.5
  Top Layer w0.3: C3.2@28.05,62 C3.2@28.075,62.025 C3.2@28.1,62 ; v1(76.975,48.347) 78.432,49.804 79.374,49.804 79.778,49.4 DD1.14@81.4,49.4
  Top Layer w0.6: v1(44.7,62) 54.95,51.75 v1(58.1,51.75) ; v1(68.403,48.947) 68.512,48.947 68.72,49.155 v1(74.52,49.155)
  Top Layer w1: R3.2@22.95,62 26.05,62 C3.2@28.05,62 ; C3.2@28.1,62 v1(31.3,62)
  Bottom Layer w0.3: 40.85,62 41.05,62.2
  Bottom Layer w0.6: v1(58.1,51.75) 63.2,51.75 65.8,49.15 68.152,49.15 68.356,48.947 v1(68.403,48.947) ; v1(74.52,49.155) 76.458,49.155 76.975,48.638 v1(76.975,48.347)
  Bottom Layer w1: v1(31.3,62) 40.85,62 v1(44.7,62)
NetC5_2: C5.2 DD1.20 | length 12
  Top Layer w0.3: C5.2@69.65,45.9 69.85,45.9 70.35,46.4 77.614,46.4 77.718,46.296 78.882,46.296 78.986,46.4 DD1.20@81.4,46.4
NetDD1_7: DD1.7 DD4_Designator2.12 | length 71.6
  Top Layer w0.3: DD1.7@81.4,52.9 83.3,52.9 v1(83.775,53.375) ; v1(86.504,52.078) 90.512,52.078 91.844,50.746 93.007,50.746 93.954,51.693 93.954,52.204 v1(95.25,53.5) v1@95.3,53.55 ; 99.45,58.2 99.55,58.2
  Top Layer w0.5: v1@97.962,58.1 99.55,58.1 ; 99.55,58.2 100.174,58.2 113.574,71.6 118.4,71.6 v1(120,70)
  Top Layer w0.6: DD4_Designator2.12@122.58,86.5 122.58,88.08 v1(122.6,88.1)
  Top Layer w0.7: v1(97.65,58) 97.707,58.057 97.92,58.057 v1@97.962,58.1
  Bottom Layer w0.3: v1(83.775,53.375) 85.207,53.375 v1(86.504,52.078) ; v1(95.25,53.5) 95.25,55.3 97.65,57.7 v1(97.65,58)
  Bottom Layer w0.6: v1(120,70) 122.6,72.6 v1(122.6,88.1)
NetDD1_8: DD1.8 DD4_Designator2.15 | length 64.3
  Top Layer w0.3: DD1.8@81.4,52.4 84.307,52.4 v1(84.479,52.228) ; v1(88.075,51.174) 89.003,50.246 93.484,50.246 95.155,51.918 v1(95.346,51.918)
  Top Layer w0.5: v1(98.505,57.053) 99.358,57.053 99.705,57.4 100.509,57.4 102.946,59.837
  Top Layer w0.6: 102.946,59.837 103.563,60.454 104.454,60.454 v1(114,70) ; DD4_Designator2.15@118.77,86.5 118.77,87.97 v1(118.8,88)
  Bottom Layer w0.3: v1(84.479,52.228) 85.533,51.174 v1(88.075,51.174) ; v1(95.346,51.918) 95.346,52.109 98.505,55.267 v1(98.505,57.053)
  Bottom Layer w0.6: v1(114,70) 114,83.2 v1(118.8,88)
NetDD1_9: DD1.9 DD4_Designator1.2 | length 79.2
  Top Layer w0.3: DD1.9@81.4,51.9 82.157,51.9 82.68,51.378 v1(83.554,51.378) ; v1(87.754,49.902) 87.911,49.746 94.881,49.746 v1(95.346,50.211) ; v1(98.375,48.425) 115.425,48.425
  Top Layer w0.5: 115.425,48.425 v1(137,70)
  Top Layer w0.6: v1(141.2,78.5) 141.27,78.57 DD4_Designator1.2@141.27,81.05
  Bottom Layer w0.3: v1(83.554,51.378) 85.029,49.902 v1(87.754,49.902) ; v1(95.346,50.211) 97.132,48.425 v1(98.375,48.425)
  Bottom Layer w0.6: v1(137,70) 137,74.3 v1(141.2,78.5)
NetDD1_15: DD1.15 DD4_Designator4.10 | length 49.5
  Top Layer w0.3: v1(80.225,58.25) 80.225,59.85 79.425,60.65 78.905,60.65 75.796,63.759 75.796,64.774 76.326,65.304 76.654,65.304 81.303,69.953 81.953,69.953 v1(82,70) ; DD1.15@81.4,48.9 82.444,48.9 82.944,49.4 v1(83.1,49.4)
  Top Layer w0.6: v1(80.1,88.125) 80.12,88.105 DD4_Designator4.10@80.12,86.5
  Bottom Layer w0.3: v1(80.225,58.25) 81.9,56.575 81.9,50.6 v1(83.1,49.4)
  Bottom Layer w0.6: v1(80.1,88.125) 82,86.225 v1(82,70)
NetDD1_16: DD1.16 DD4_Designator4.12 | length 48
  Top Layer w0.3: 73.175,61.447 77.422,57.2 v1(77.5,57.2) ; v1(79,48.9) 79.6,48.9 80.1,48.4 DD1.16@81.4,48.4
  Top Layer w0.6: 73.175,61.447 73.175,63.375 78,68.2 v1(78,70) ; v1(77.55,88.075) 77.58,88.045 DD4_Designator4.12@77.58,86.5
  Bottom Layer w0.3: v1(77.5,57.2) 77.5,50.4 v1(79,48.9)
  Bottom Layer w0.6: v1(77.55,88.075) 77.55,70.558 78,70.108 v1(78,70)
NetDD1_17: DD1.17 DD4_Designator4.15 | length 48.5
  Top Layer w0.3: 72,61.2 v1(76.2,57) ; v1(78.3,47.7) 79.22,47.7 79.42,47.9 DD1.17@81.4,47.9
  Top Layer w0.6: 72,61.2 v1(72,70) ; DD4_Designator4.15@73.77,86.5 73.77,88.095 v1(73.775,88.1)
  Bottom Layer w0.3: v1(76.2,57) 76.2,50.4 78.228,48.372 78.228,47.772 v1(78.3,47.7)
  Bottom Layer w0.6: v1(72,70) 72,86.325 v1(73.775,88.1)
NetDD1_18: DD1.18 DD4_Designator3.2 | length 85.9
  Top Layer w0.3: DD1.18@81.4,47.4 83.127,47.4 v1(83.229,47.502) ; v1(86.3,46.7) 87.8,48.2 94,48.2 94.7,47.5 v1(95.3,47.5) ; v1(99,46.9) 99.154,47.054 109.354,47.054 v1@109.6,47.3
  Top Layer w0.4: v1(114.3,62.6) 116,62.6 v1(117,61.6)
  Top Layer w0.6: DD4_Designator3.2@96.27,81.05 96.27,78.23 v1(96.3,78.2)
  Top Layer w1: v1(95.027,70.027) 95.027,70.453 95.974,71.4 105.3,71.4 v1(105.6,71.1)
  Bottom Layer w0.3: v1(83.229,47.502) 84.031,46.7 v1(86.3,46.7) ; v1(95.3,47.5) 95.443,47.5 96.043,46.9 v1(99,46.9) ; v1(105.6,71.1) 105.8,71.1 v1(114.3,62.6) ; v1(109.6,47.2) 117.1,54.7 117.1,61.5 v1(117,61.6)
  Bottom Layer w0.6: v1(95.027,70.027) 95.027,76.927 v1(96.3,78.2)
NetDD1_24: DD1.24 R13_U_РЕЛЕ8.1 | length 180
  Top Layer w0.3: v1(73.45,25.2) 73.45,25.325 78.025,29.9 v1(78.025,29.938) ; v1(77.288,38.513) 77.376,38.424 v1(77.376,33.654) ; v1(77.95,43.425) 78.925,44.4 DD1.24@81.4,44.4
  Top Layer w0.6: v1(72.6,7.725) 72.6,14.1 78.375,19.875 78.375,20.197 80.328,22.15 v1(80.45,22.15) ; 147.925,26.6 144.15,22.825 143.575,22.25 v1(143.488,22.25) 143.6,22.25 151.7,30.35 175.75,30.35 177.7,28.4 177.9,28.4 178.1,28.2 R13_U_РЕЛЕ8.1@178.1,28
  Bottom Layer w0.3: v1(77.288,38.513) 77.288,42.763 v1(77.95,43.425) ; v1(77.376,33.654) 77.379,33.652 77.379,30.627 78.025,29.981 v1(78.025,29.938)
  Bottom Layer w0.6: v1(72.6,7.725) 72.6,5.025 76.775,0.85 97,0.85 106.8,10.65 131.888,10.65 v1(143.488,22.25) ; v1(73.45,25.2) 73.527,25.123 73.886,25.123 74.641,24.368 77.757,24.368 79.898,22.227 80.373,22.227 v1(80.45,22.15)
NetDD1_25: DD1.25 R13_U_РЕЛЕ7.1 | length 145.6
  Top Layer w0.3: v1(69.428,18.101) 69.428,19.9 74.354,24.826 74.354,24.854 82.35,32.85 v1(82.35,33.025) ; v1(81.003,40.804) 79.9,41.907 79.9,42.95 80.85,43.9 DD1.25@81.4,43.9
  Top Layer w0.6: v1(73.854,13.863) 73.854,13.821 75.7,11.975 v1(75.7,8.25) ; v1(153.6,28) R13_U_РЕЛЕ7.1@159.1,28
  Bottom Layer w0.3: v1(81.003,40.804) 81.003,39.011 82.35,37.664 v1(82.35,33.025)
  Bottom Layer w0.6: v1(69.428,18.101) 69.426,18.101 69.375,18.05 73.485,13.94 73.777,13.94 v1(73.854,13.863) ; v1(75.7,8.25) 75.7,3.056 76.831,1.925 95.301,1.925 104.826,11.45 109.331,11.45 125.881,28 v1(153.6,28)
NetDD1_26: DD1.26 R13_U_РЕЛЕ6.1 | length 126.1
  Top Layer w0.3: v1(72.179,25.526) 72.179,25.106 72.275,25.009 72.275,25.466 78.684,31.875 v1(79.05,31.875) ; v1(78.609,34.491) 78.609,36.445 80.548,38.384 80.569,38.384 82.407,40.222 82.407,41.266 83.1,41.959 DD1.26@83.1,42.2
  Top Layer w0.6: v1(110.25,38.25) 126.604,38.25 135.354,47 R13_U_РЕЛЕ6.1@159.1,47
  Bottom Layer w0.3: v1(72.179,25.526) 72.179,25.368 72.546,25.001 72.546,24.826 73.076,24.296 73.409,24.296 79.305,18.4 92.65,18.4 102.25,28 102.25,28.722 102.904,29.375 102.904,30.904 v1(110.25,38.25) ; v1(78.609,34.491) 79.05,34.05 v1(79.05,31.875)
NetDD1_29: DD1.29 R13_U_РЕЛЕ5.1 | length 140.2
  Top Layer w0.3: v1(83.925,38.475) 83.925,40.354 84.6,41.029 84.6,41.236 DD1.29@84.6,42.2 ; v1(89.404,27.726) 90.158,28.48 91.404,28.48 91.933,27.951 91.933,25.639 93.824,23.749 93.824,22.435 v1(99.13,17.13)
  Top Layer w0.6: v1(162.75,66) 168.417,66 171.417,63 R13_U_РЕЛЕ5.1@178.1,63
  Bottom Layer w0.3: v1(83.925,38.475) 83.925,37.547 84.626,36.846 85.539,36.846 86.604,35.781 86.604,32.067 87.25,31.421 87.25,30.25 89.27,28.23 89.27,27.86 v1(89.404,27.726)
  Bottom Layer w0.6: v1(99.13,17.13) 99.13,14.87 101.75,12.25 109,12.25 v1(162.75,66)